# KiCad board IOT-Mess-Sens-Panelized.kicad_pcb (continued)
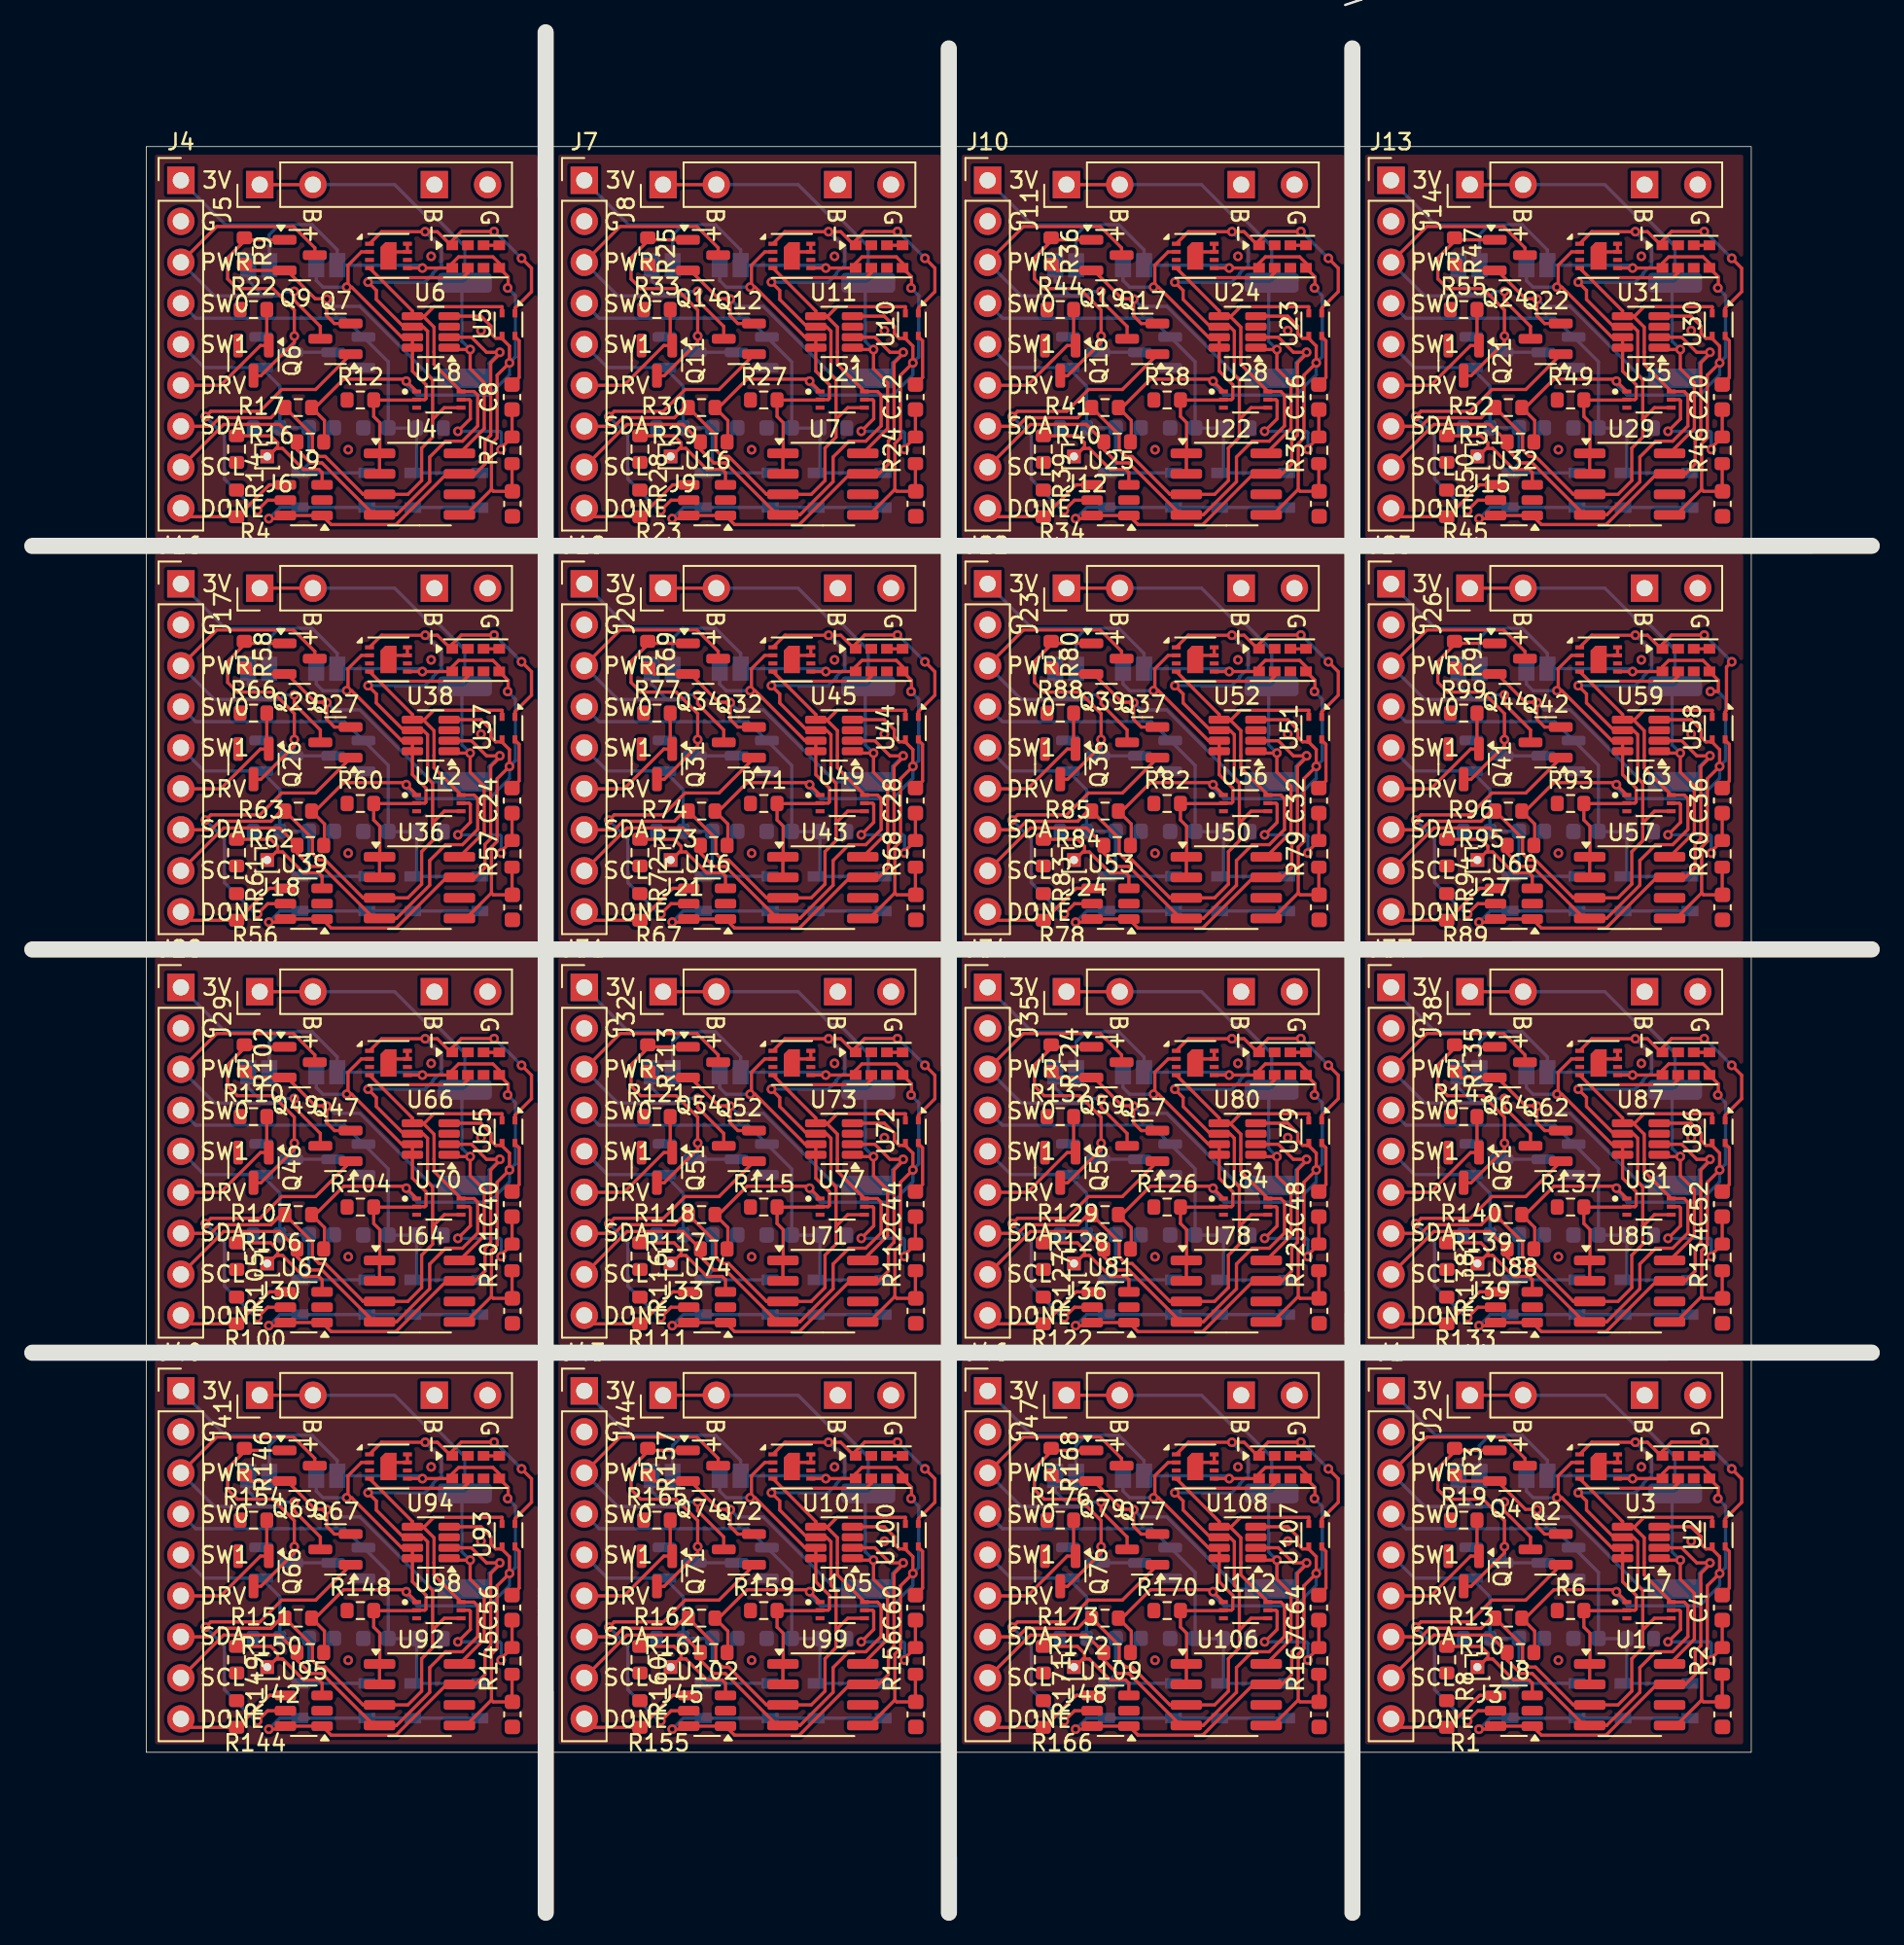
[diagram p0: board, top side]
## Placement (name value [footprint] x y rotation side) (continued)
Q59  AO3401A  [SOT-23]  66.57 52.69 0 top
Q60  AO3400A  [SOT-23]  69.59 46.67 180 bottom
Q61  AO3400A  [SOT-23]  88.71 46.16 270 top
Q62  AO3401A  [SOT-23]  93.79 47.51 180 top
Q63  AO3400A  [SOT-23]  90.12 46.68 0 bottom
Q64  AO3401A  [SOT-23]  91.57 52.69 0 top
Q65  AO3400A  [SOT-23]  94.59 46.67 180 bottom
Q66  AO3400A  [SOT-23]  13.71 21.16 270 top
Q67  AO3401A  [SOT-23]  18.79 22.51 180 top
Q68  AO3400A  [SOT-23]  15.12 21.68 0 bottom
Q69  AO3401A  [SOT-23]  16.57 27.69 0 top
Q70  AO3400A  [SOT-23]  19.59 21.67 180 bottom
Q71  AO3400A  [SOT-23]  38.71 21.16 270 top
Q72  AO3401A  [SOT-23]  43.79 22.51 180 top
Q73  AO3400A  [SOT-23]  40.12 21.68 0 bottom
Q74  AO3401A  [SOT-23]  41.57 27.69 0 top
Q75  AO3400A  [SOT-23]  44.59 21.67 180 bottom
Q76  AO3400A  [SOT-23]  63.71 21.16 270 top
Q77  AO3401A  [SOT-23]  68.79 22.51 180 top
Q78  AO3400A  [SOT-23]  65.12 21.68 0 bottom
Q79  AO3401A  [SOT-23]  66.57 27.69 0 top
Q80  AO3400A  [SOT-23]  69.59 21.67 180 bottom
R1  R  [R_0603_1608Metric]  87.66 12.31 270 top
R2  5K  [R_0603_1608Metric]  104.73 15.6 90 top
R3  R  [R_0603_1608Metric]  88.15 27.94 90 top
R4  R  [R_0603_1608Metric]  12.66 87.31 270 top
R5  R  [R_0603_1608Metric]  89.52 17 0 bottom
R6  10K  [R_0603_1608Metric]  95.34 18.72 0 top
R7  5K  [R_0603_1608Metric]  29.73 90.6 90 top
R8  R  [R_0603_1608Metric]  87.66 15.68 90 top
R9  R  [R_0603_1608Metric]  13.15 102.94 90 top
R10  10K  [R_0603_1608Metric]  91.49 18.25 180 top
R11  R  [R_0603_1608Metric]  14.52 92 0 bottom
R12  10K  [R_0603_1608Metric]  20.33 93.72 0 top
R13  10K  [R_0603_1608Metric]  92.24 16.12 0 top
R14  R  [R_0603_1608Metric]  12.66 90.68 90 top
R15  0.1R  [R_2512_6332Metric]  101.81 23.02 90 bottom
R16  10K  [R_0603_1608Metric]  16.48 93.25 180 top
R17  10K  [R_0603_1608Metric]  17.23 91.12 0 top
R18  R  [R_0603_1608Metric]  99.65 16.98 180 bottom
R19  R  [R_0603_1608Metric]  88.71 24.32 0 top
R20  0.1R  [R_2512_6332Metric]  26.81 98.02 90 bottom
R21  R  [R_0603_1608Metric]  24.65 91.98 180 bottom
R22  R  [R_0603_1608Metric]  13.71 99.32 0 top
R23  R  [R_0603_1608Metric]  37.66 87.31 270 top
R24  5K  [R_0603_1608Metric]  54.73 90.6 90 top
R25  R  [R_0603_1608Metric]  38.15 102.94 90 top
R26  R  [R_0603_1608Metric]  39.52 92 0 bottom
R27  10K  [R_0603_1608Metric]  45.33 93.72 0 top
R28  R  [R_0603_1608Metric]  37.66 90.68 90 top
R29  10K  [R_0603_1608Metric]  41.48 93.25 180 top
R30  10K  [R_0603_1608Metric]  42.23 91.12 0 top
R31  0.1R  [R_2512_6332Metric]  51.81 98.02 90 bottom
R32  R  [R_0603_1608Metric]  49.65 91.98 180 bottom
R33  R  [R_0603_1608Metric]  38.71 99.32 0 top
R34  R  [R_0603_1608Metric]  62.66 87.31 270 top
R35  5K  [R_0603_1608Metric]  79.73 90.6 90 top
R36  R  [R_0603_1608Metric]  63.15 102.94 90 top
R37  R  [R_0603_1608Metric]  64.52 92 0 bottom
R38  10K  [R_0603_1608Metric]  70.34 93.72 0 top
R39  R  [R_0603_1608Metric]  62.66 90.68 90 top
R40  10K  [R_0603_1608Metric]  66.49 93.25 180 top
R41  10K  [R_0603_1608Metric]  67.24 91.12 0 top
R42  0.1R  [R_2512_6332Metric]  76.81 98.02 90 bottom
R43  R  [R_0603_1608Metric]  74.65 91.98 180 bottom
R44  R  [R_0603_1608Metric]  63.71 99.32 0 top
R45  R  [R_0603_1608Metric]  87.66 87.31 270 top
R46  5K  [R_0603_1608Metric]  104.73 90.6 90 top
R47  R  [R_0603_1608Metric]  88.15 102.94 90 top
R48  R  [R_0603_1608Metric]  89.52 92 0 bottom
R49  10K  [R_0603_1608Metric]  95.34 93.72 0 top
R50  R  [R_0603_1608Metric]  87.66 90.68 90 top
R51  10K  [R_0603_1608Metric]  91.49 93.25 180 top
R52  10K  [R_0603_1608Metric]  92.24 91.12 0 top
R53  0.1R  [R_2512_6332Metric]  101.81 98.02 90 bottom
R54  R  [R_0603_1608Metric]  99.65 91.98 180 bottom
R55  R  [R_0603_1608Metric]  88.71 99.32 0 top
R56  R  [R_0603_1608Metric]  12.66 62.31 270 top
R57  5K  [R_0603_1608Metric]  29.73 65.6 90 top
R58  R  [R_0603_1608Metric]  13.15 77.94 90 top
R59  R  [R_0603_1608Metric]  14.52 67 0 bottom
R60  10K  [R_0603_1608Metric]  20.33 68.72 0 top
R61  R  [R_0603_1608Metric]  12.66 65.68 90 top
R62  10K  [R_0603_1608Metric]  16.48 68.25 180 top
R63  10K  [R_0603_1608Metric]  17.23 66.12 0 top
R64  0.1R  [R_2512_6332Metric]  26.81 73.02 90 bottom
R65  R  [R_0603_1608Metric]  24.65 66.98 180 bottom
R66  R  [R_0603_1608Metric]  13.71 74.32 0 top
R67  R  [R_0603_1608Metric]  37.66 62.31 270 top
R68  5K  [R_0603_1608Metric]  54.73 65.6 90 top
R69  R  [R_0603_1608Metric]  38.15 77.94 90 top
R70  R  [R_0603_1608Metric]  39.52 67 0 bottom
R71  10K  [R_0603_1608Metric]  45.33 68.72 0 top
R72  R  [R_0603_1608Metric]  37.66 65.68 90 top
R73  10K  [R_0603_1608Metric]  41.48 68.25 180 top
R74  10K  [R_0603_1608Metric]  42.23 66.12 0 top
R75  0.1R  [R_2512_6332Metric]  51.81 73.02 90 bottom
R76  R  [R_0603_1608Metric]  49.65 66.98 180 bottom
R77  R  [R_0603_1608Metric]  38.71 74.32 0 top
R78  R  [R_0603_1608Metric]  62.66 62.31 270 top
R79  5K  [R_0603_1608Metric]  79.73 65.6 90 top
R80  R  [R_0603_1608Metric]  63.15 77.94 90 top
R81  R  [R_0603_1608Metric]  64.52 67 0 bottom
R82  10K  [R_0603_1608Metric]  70.34 68.72 0 top
R83  R  [R_0603_1608Metric]  62.66 65.68 90 top
R84  10K  [R_0603_1608Metric]  66.49 68.25 180 top
R85  10K  [R_0603_1608Metric]  67.24 66.12 0 top
R86  0.1R  [R_2512_6332Metric]  76.81 73.02 90 bottom
R87  R  [R_0603_1608Metric]  74.65 66.98 180 bottom
R88  R  [R_0603_1608Metric]  63.71 74.32 0 top
R89  R  [R_0603_1608Metric]  87.66 62.31 270 top
R90  5K  [R_0603_1608Metric]  104.73 65.6 90 top
R91  R  [R_0603_1608Metric]  88.15 77.94 90 top
R92  R  [R_0603_1608Metric]  89.52 67 0 bottom
R93  10K  [R_0603_1608Metric]  95.34 68.72 0 top
R94  R  [R_0603_1608Metric]  87.66 65.68 90 top
R95  10K  [R_0603_1608Metric]  91.49 68.25 180 top
R96  10K  [R_0603_1608Metric]  92.24 66.12 0 top
R97  0.1R  [R_2512_6332Metric]  101.81 73.02 90 bottom
R98  R  [R_0603_1608Metric]  99.65 66.98 180 bottom
R99  R  [R_0603_1608Metric]  88.71 74.32 0 top
R100  R  [R_0603_1608Metric]  12.66 37.31 270 top
R101  5K  [R_0603_1608Metric]  29.73 40.6 90 top
R102  R  [R_0603_1608Metric]  13.15 52.94 90 top
R103  R  [R_0603_1608Metric]  14.52 42 0 bottom
R104  10K  [R_0603_1608Metric]  20.33 43.72 0 top
R105  R  [R_0603_1608Metric]  12.66 40.68 90 top
R106  10K  [R_0603_1608Metric]  16.48 43.25 180 top
R107  10K  [R_0603_1608Metric]  17.23 41.12 0 top
R108  0.1R  [R_2512_6332Metric]  26.81 48.02 90 bottom
R109  R  [R_0603_1608Metric]  24.65 41.98 180 bottom
R110  R  [R_0603_1608Metric]  13.71 49.32 0 top
R111  R  [R_0603_1608Metric]  37.66 37.31 270 top
R112  5K  [R_0603_1608Metric]  54.73 40.6 90 top
R113  R  [R_0603_1608Metric]  38.15 52.94 90 top
R114  R  [R_0603_1608Metric]  39.52 42 0 bottom
R115  10K  [R_0603_1608Metric]  45.33 43.72 0 top
R116  R  [R_0603_1608Metric]  37.66 40.68 90 top
R117  10K  [R_0603_1608Metric]  41.48 43.25 180 top
R118  10K  [R_0603_1608Metric]  42.23 41.12 0 top
R119  0.1R  [R_2512_6332Metric]  51.81 48.02 90 bottom
R120  R  [R_0603_1608Metric]  49.65 41.98 180 bottom
R121  R  [R_0603_1608Metric]  38.71 49.32 0 top
R122  R  [R_0603_1608Metric]  62.66 37.31 270 top
R123  5K  [R_0603_1608Metric]  79.73 40.6 90 top
R124  R  [R_0603_1608Metric]  63.15 52.94 90 top
R125  R  [R_0603_1608Metric]  64.52 42 0 bottom
R126  10K  [R_0603_1608Metric]  70.34 43.72 0 top
R127  R  [R_0603_1608Metric]  62.66 40.68 90 top
R128  10K  [R_0603_1608Metric]  66.49 43.25 180 top
R129  10K  [R_0603_1608Metric]  67.24 41.12 0 top
R130  0.1R  [R_2512_6332Metric]  76.81 48.02 90 bottom
R131  R  [R_0603_1608Metric]  74.65 41.98 180 bottom
R132  R  [R_0603_1608Metric]  63.71 49.32 0 top
R133  R  [R_0603_1608Metric]  87.66 37.31 270 top
R134  5K  [R_0603_1608Metric]  104.73 40.6 90 top
R135  R  [R_0603_1608Metric]  88.15 52.94 90 top
R136  R  [R_0603_1608Metric]  89.52 42 0 bottom
R137  10K  [R_0603_1608Metric]  95.34 43.72 0 top
R138  R  [R_0603_1608Metric]  87.66 40.68 90 top
R139  10K  [R_0603_1608Metric]  91.49 43.25 180 top
R140  10K  [R_0603_1608Metric]  92.24 41.12 0 top
R141  0.1R  [R_2512_6332Metric]  101.81 48.02 90 bottom
R142  R  [R_0603_1608Metric]  99.65 41.98 180 bottom
R143  R  [R_0603_1608Metric]  88.71 49.32 0 top
R144  R  [R_0603_1608Metric]  12.66 12.31 270 top
R145  5K  [R_0603_1608Metric]  29.73 15.6 90 top
R146  R  [R_0603_1608Metric]  13.15 27.94 90 top
R147  R  [R_0603_1608Metric]  14.52 17 0 bottom
R148  10K  [R_0603_1608Metric]  20.33 18.72 0 top
R149  R  [R_0603_1608Metric]  12.66 15.68 90 top
R150  10K  [R_0603_1608Metric]  16.48 18.25 180 top
R151  10K  [R_0603_1608Metric]  17.23 16.12 0 top
R152  0.1R  [R_2512_6332Metric]  26.81 23.02 90 bottom
R153  R  [R_0603_1608Metric]  24.65 16.98 180 bottom
R154  R  [R_0603_1608Metric]  13.71 24.32 0 top
R155  R  [R_0603_1608Metric]  37.66 12.31 270 top
R156  5K  [R_0603_1608Metric]  54.73 15.6 90 top
R157  R  [R_0603_1608Metric]  38.15 27.94 90 top
R158  R  [R_0603_1608Metric]  39.52 17 0 bottom
R159  10K  [R_0603_1608Metric]  45.33 18.72 0 top
R160  R  [R_0603_1608Metric]  37.66 15.68 90 top
R161  10K  [R_0603_1608Metric]  41.48 18.25 180 top
R162  10K  [R_0603_1608Metric]  42.23 16.12 0 top
R163  0.1R  [R_2512_6332Metric]  51.81 23.02 90 bottom
R164  R  [R_0603_1608Metric]  49.65 16.98 180 bottom
R165  R  [R_0603_1608Metric]  38.71 24.32 0 top
R166  R  [R_0603_1608Metric]  62.66 12.31 270 top
R167  5K  [R_0603_1608Metric]  79.73 15.6 90 top
R168  R  [R_0603_1608Metric]  63.15 27.94 90 top
R169  R  [R_0603_1608Metric]  64.52 17 0 bottom
R170  10K  [R_0603_1608Metric]  70.34 18.72 0 top
R171  R  [R_0603_1608Metric]  62.66 15.68 90 top
R172  10K  [R_0603_1608Metric]  66.49 18.25 180 top
R173  10K  [R_0603_1608Metric]  67.24 16.12 0 top
R174  0.1R  [R_2512_6332Metric]  76.81 23.02 90 bottom
R175  R  [R_0603_1608Metric]  74.65 16.98 180 bottom
R176  R  [R_0603_1608Metric]  63.71 24.32 0 top
SW2  SW_Push  [SW_SPST_PTS810]  100.66 13.13 0 bottom
SW3  SW_Push  [SW_SPST_PTS810]  93.65 13.14 0 bottom
SW4  SW_Push  [SW_SPST_PTS810]  25.66 88.13 0 bottom
SW5  SW_Push  [SW_SPST_PTS810]  18.65 88.14 0 bottom
SW6  SW_Push  [SW_SPST_PTS810]  50.66 88.13 0 bottom
SW7  SW_Push  [SW_SPST_PTS810]  43.65 88.14 0 bottom
SW8  SW_Push  [SW_SPST_PTS810]  75.66 88.13 0 bottom
SW9  SW_Push  [SW_SPST_PTS810]  68.65 88.14 0 bottom
SW10  SW_Push  [SW_SPST_PTS810]  100.66 88.13 0 bottom
SW11  SW_Push  [SW_SPST_PTS810]  93.65 88.14 0 bottom
SW12  SW_Push  [SW_SPST_PTS810]  25.66 63.13 0 bottom
SW13  SW_Push  [SW_SPST_PTS810]  18.65 63.14 0 bottom
SW14  SW_Push  [SW_SPST_PTS810]  50.66 63.13 0 bottom
SW15  SW_Push  [SW_SPST_PTS810]  43.65 63.14 0 bottom
SW16  SW_Push  [SW_SPST_PTS810]  75.66 63.13 0 bottom
SW17  SW_Push  [SW_SPST_PTS810]  68.65 63.14 0 bottom
SW18  SW_Push  [SW_SPST_PTS810]  100.66 63.13 0 bottom
SW19  SW_Push  [SW_SPST_PTS810]  93.65 63.14 0 bottom
SW20  SW_Push  [SW_SPST_PTS810]  25.66 38.13 0 bottom
SW21  SW_Push  [SW_SPST_PTS810]  18.65 38.14 0 bottom
SW22  SW_Push  [SW_SPST_PTS810]  50.66 38.13 0 bottom
SW23  SW_Push  [SW_SPST_PTS810]  43.65 38.14 0 bottom
SW24  SW_Push  [SW_SPST_PTS810]  75.66 38.13 0 bottom
SW25  SW_Push  [SW_SPST_PTS810]  68.65 38.14 0 bottom
SW26  SW_Push  [SW_SPST_PTS810]  100.66 38.13 0 bottom
SW27  SW_Push  [SW_SPST_PTS810]  93.65 38.14 0 bottom
SW28  SW_Push  [SW_SPST_PTS810]  25.66 13.13 0 bottom
SW29  SW_Push  [SW_SPST_PTS810]  18.65 13.14 0 bottom
SW30  SW_Push  [SW_SPST_PTS810]  50.66 13.13 0 bottom
SW31  SW_Push  [SW_SPST_PTS810]  43.65 13.14 0 bottom
SW32  SW_Push  [SW_SPST_PTS810]  75.66 13.13 0 bottom
SW33  SW_Push  [SW_SPST_PTS810]  68.65 13.14 0 bottom
U1  INA219AxD  [SOIC-8_3.9x4.9mm_P1.27mm]  99 13.51 0 top
U2  SHT4x  [Sensirion_DFN-4_1.5x1.5mm_P0.8mm_SHT4x_NoCentralPad]  104.51 23.39 270 top
U3  INA219AxDCN  [SOT-23-8]  99.7 22.94 180 top
U4  INA219AxD  [SOIC-8_3.9x4.9mm_P1.27mm]  24 88.51 0 top
U5  SHT4x  [Sensirion_DFN-4_1.5x1.5mm_P0.8mm_SHT4x_NoCentralPad]  29.51 98.39 270 top
U6  INA219AxDCN  [SOT-23-8]  24.7 97.94 180 top
U7  INA219AxD  [SOIC-8_3.9x4.9mm_P1.27mm]  49 88.51 0 top
U8  TPL5110  [SOT-23-6]  91.83 12.51 180 top
U9  TPL5110  [SOT-23-6]  16.83 87.51 180 top
U10  SHT4x  [Sensirion_DFN-4_1.5x1.5mm_P0.8mm_SHT4x_NoCentralPad]  54.51 98.39 270 top
U11  INA219AxDCN  [SOT-23-8]  49.7 97.94 180 top
U12  APDS-9960  [Avago_APDS-9960]  102.48 27.6 0 top
U13  SHT31-DIS  [Sensirion_DFN-8-1EP_2.5x2.5mm_P0.5mm_EP1.1x1.7mm]  97.07 27.65 0 top
U14  APDS-9960  [Avago_APDS-9960]  27.48 102.6 0 top
U15  SHT31-DIS  [Sensirion_DFN-8-1EP_2.5x2.5mm_P0.5mm_EP1.1x1.7mm]  22.07 102.65 0 top
U16  TPL5110  [SOT-23-6]  41.83 87.51 180 top
U17  BH1750FVI-TR  [XDCR_BH1750FVI-TR]  100.2 18.74 0 top
U18  BH1750FVI-TR  [XDCR_BH1750FVI-TR]  25.2 93.74 0 top
U19  APDS-9960  [Avago_APDS-9960]  52.48 102.6 0 top
U20  SHT31-DIS  [Sensirion_DFN-8-1EP_2.5x2.5mm_P0.5mm_EP1.1x1.7mm]  47.07 102.65 0 top
U21  BH1750FVI-TR  [XDCR_BH1750FVI-TR]  50.2 93.74 0 top
U22  INA219AxD  [SOIC-8_3.9x4.9mm_P1.27mm]  74 88.51 0 top
U23  SHT4x  [Sensirion_DFN-4_1.5x1.5mm_P0.8mm_SHT4x_NoCentralPad]  79.51 98.39 270 top
U24  INA219AxDCN  [SOT-23-8]  74.7 97.94 180 top
U25  TPL5110  [SOT-23-6]  66.83 87.51 180 top
U26  APDS-9960  [Avago_APDS-9960]  77.48 102.6 0 top
U27  SHT31-DIS  [Sensirion_DFN-8-1EP_2.5x2.5mm_P0.5mm_EP1.1x1.7mm]  72.07 102.65 0 top
U28  BH1750FVI-TR  [XDCR_BH1750FVI-TR]  75.2 93.74 0 top
U29  INA219AxD  [SOIC-8_3.9x4.9mm_P1.27mm]  99 88.51 0 top
U30  SHT4x  [Sensirion_DFN-4_1.5x1.5mm_P0.8mm_SHT4x_NoCentralPad]  104.51 98.39 270 top
U31  INA219AxDCN  [SOT-23-8]  99.7 97.94 180 top
U32  TPL5110  [SOT-23-6]  91.83 87.51 180 top
U33  APDS-9960  [Avago_APDS-9960]  102.48 102.6 0 top
U34  SHT31-DIS  [Sensirion_DFN-8-1EP_2.5x2.5mm_P0.5mm_EP1.1x1.7mm]  97.07 102.65 0 top
U35  BH1750FVI-TR  [XDCR_BH1750FVI-TR]  100.2 93.74 0 top
U36  INA219AxD  [SOIC-8_3.9x4.9mm_P1.27mm]  24 63.51 0 top
U37  SHT4x  [Sensirion_DFN-4_1.5x1.5mm_P0.8mm_SHT4x_NoCentralPad]  29.51 73.39 270 top
U38  INA219AxDCN  [SOT-23-8]  24.7 72.94 180 top
U39  TPL5110  [SOT-23-6]  16.83 62.51 180 top
U40  APDS-9960  [Avago_APDS-9960]  27.48 77.6 0 top
U41  SHT31-DIS  [Sensirion_DFN-8-1EP_2.5x2.5mm_P0.5mm_EP1.1x1.7mm]  22.07 77.65 0 top
U42  BH1750FVI-TR  [XDCR_BH1750FVI-TR]  25.2 68.74 0 top
U43  INA219AxD  [SOIC-8_3.9x4.9mm_P1.27mm]  49 63.51 0 top
U44  SHT4x  [Sensirion_DFN-4_1.5x1.5mm_P0.8mm_SHT4x_NoCentralPad]  54.51 73.39 270 top
U45  INA219AxDCN  [SOT-23-8]  49.7 72.94 180 top
U46  TPL5110  [SOT-23-6]  41.83 62.51 180 top
U47  APDS-9960  [Avago_APDS-9960]  52.48 77.6 0 top
U48  SHT31-DIS  [Sensirion_DFN-8-1EP_2.5x2.5mm_P0.5mm_EP1.1x1.7mm]  47.07 77.65 0 top
U49  BH1750FVI-TR  [XDCR_BH1750FVI-TR]  50.2 68.74 0 top
U50  INA219AxD  [SOIC-8_3.9x4.9mm_P1.27mm]  74 63.51 0 top
U51  SHT4x  [Sensirion_DFN-4_1.5x1.5mm_P0.8mm_SHT4x_NoCentralPad]  79.51 73.39 270 top
U52  INA219AxDCN  [SOT-23-8]  74.7 72.94 180 top
U53  TPL5110  [SOT-23-6]  66.83 62.51 180 top
U54  APDS-9960  [Avago_APDS-9960]  77.48 77.6 0 top
U55  SHT31-DIS  [Sensirion_DFN-8-1EP_2.5x2.5mm_P0.5mm_EP1.1x1.7mm]  72.07 77.65 0 top
U56  BH1750FVI-TR  [XDCR_BH1750FVI-TR]  75.2 68.74 0 top
U57  INA219AxD  [SOIC-8_3.9x4.9mm_P1.27mm]  99 63.51 0 top
U58  SHT4x  [Sensirion_DFN-4_1.5x1.5mm_P0.8mm_SHT4x_NoCentralPad]  104.51 73.39 270 top
U59  INA219AxDCN  [SOT-23-8]  99.7 72.94 180 top
U60  TPL5110  [SOT-23-6]  91.83 62.51 180 top
U61  APDS-9960  [Avago_APDS-9960]  102.48 77.6 0 top
U62  SHT31-DIS  [Sensirion_DFN-8-1EP_2.5x2.5mm_P0.5mm_EP1.1x1.7mm]  97.07 77.65 0 top
U63  BH1750FVI-TR  [XDCR_BH1750FVI-TR]  100.2 68.74 0 top
U64  INA219AxD  [SOIC-8_3.9x4.9mm_P1.27mm]  24 38.51 0 top
U65  SHT4x  [Sensirion_DFN-4_1.5x1.5mm_P0.8mm_SHT4x_NoCentralPad]  29.51 48.39 270 top
U66  INA219AxDCN  [SOT-23-8]  24.7 47.94 180 top
U67  TPL5110  [SOT-23-6]  16.83 37.51 180 top
U68  APDS-9960  [Avago_APDS-9960]  27.48 52.6 0 top
U69  SHT31-DIS  [Sensirion_DFN-8-1EP_2.5x2.5mm_P0.5mm_EP1.1x1.7mm]  22.07 52.65 0 top
U70  BH1750FVI-TR  [XDCR_BH1750FVI-TR]  25.2 43.74 0 top
U71  INA219AxD  [SOIC-8_3.9x4.9mm_P1.27mm]  49 38.51 0 top
U72  SHT4x  [Sensirion_DFN-4_1.5x1.5mm_P0.8mm_SHT4x_NoCentralPad]  54.51 48.39 270 top
U73  INA219AxDCN  [SOT-23-8]  49.7 47.94 180 top
U74  TPL5110  [SOT-23-6]  41.83 37.51 180 top
U75  APDS-9960  [Avago_APDS-9960]  52.48 52.6 0 top
U76  SHT31-DIS  [Sensirion_DFN-8-1EP_2.5x2.5mm_P0.5mm_EP1.1x1.7mm]  47.07 52.65 0 top
U77  BH1750FVI-TR  [XDCR_BH1750FVI-TR]  50.2 43.74 0 top
U78  INA219AxD  [SOIC-8_3.9x4.9mm_P1.27mm]  74 38.51 0 top
U79  SHT4x  [Sensirion_DFN-4_1.5x1.5mm_P0.8mm_SHT4x_NoCentralPad]  79.51 48.39 270 top
U80  INA219AxDCN  [SOT-23-8]  74.7 47.94 180 top
U81  TPL5110  [SOT-23-6]  66.83 37.51 180 top
U82  APDS-9960  [Avago_APDS-9960]  77.48 52.6 0 top
U83  SHT31-DIS  [Sensirion_DFN-8-1EP_2.5x2.5mm_P0.5mm_EP1.1x1.7mm]  72.07 52.65 0 top
U84  BH1750FVI-TR  [XDCR_BH1750FVI-TR]  75.2 43.74 0 top
U85  INA219AxD  [SOIC-8_3.9x4.9mm_P1.27mm]  99 38.51 0 top
U86  SHT4x  [Sensirion_DFN-4_1.5x1.5mm_P0.8mm_SHT4x_NoCentralPad]  104.51 48.39 270 top
U87  INA219AxDCN  [SOT-23-8]  99.7 47.94 180 top
U88  TPL5110  [SOT-23-6]  91.83 37.51 180 top
U89  APDS-9960  [Avago_APDS-9960]  102.48 52.6 0 top
U90  SHT31-DIS  [Sensirion_DFN-8-1EP_2.5x2.5mm_P0.5mm_EP1.1x1.7mm]  97.07 52.65 0 top
U91  BH1750FVI-TR  [XDCR_BH1750FVI-TR]  100.2 43.74 0 top
U92  INA219AxD  [SOIC-8_3.9x4.9mm_P1.27mm]  24 13.51 0 top
U93  SHT4x  [Sensirion_DFN-4_1.5x1.5mm_P0.8mm_SHT4x_NoCentralPad]  29.51 23.39 270 top
U94  INA219AxDCN  [SOT-23-8]  24.7 22.94 180 top
U95  TPL5110  [SOT-23-6]  16.83 12.51 180 top
U96  APDS-9960  [Avago_APDS-9960]  27.48 27.6 0 top
U97  SHT31-DIS  [Sensirion_DFN-8-1EP_2.5x2.5mm_P0.5mm_EP1.1x1.7mm]  22.07 27.65 0 top
U98  BH1750FVI-TR  [XDCR_BH1750FVI-TR]  25.2 18.74 0 top
U99  INA219AxD  [SOIC-8_3.9x4.9mm_P1.27mm]  49 13.51 0 top
U100  SHT4x  [Sensirion_DFN-4_1.5x1.5mm_P0.8mm_SHT4x_NoCentralPad]  54.51 23.39 270 top
U101  INA219AxDCN  [SOT-23-8]  49.7 22.94 180 top
U102  TPL5110  [SOT-23-6]  41.83 12.51 180 top
U103  APDS-9960  [Avago_APDS-9960]  52.48 27.6 0 top
U104  SHT31-DIS  [Sensirion_DFN-8-1EP_2.5x2.5mm_P0.5mm_EP1.1x1.7mm]  47.07 27.65 0 top
U105  BH1750FVI-TR  [XDCR_BH1750FVI-TR]  50.2 18.74 0 top
U106  INA219AxD  [SOIC-8_3.9x4.9mm_P1.27mm]  74 13.51 0 top
U107  SHT4x  [Sensirion_DFN-4_1.5x1.5mm_P0.8mm_SHT4x_NoCentralPad]  79.51 23.39 270 top
U108  INA219AxDCN  [SOT-23-8]  74.7 22.94 180 top
U109  TPL5110  [SOT-23-6]  66.83 12.51 180 top
U110  APDS-9960  [Avago_APDS-9960]  77.48 27.6 0 top
U111  SHT31-DIS  [Sensirion_DFN-8-1EP_2.5x2.5mm_P0.5mm_EP1.1x1.7mm]  72.07 27.65 0 top
U112  BH1750FVI-TR  [XDCR_BH1750FVI-TR]  75.2 18.74 0 top

## Library data of the parts
C4-C7 = -: ki_fp_filters: C_*
J1 = -: Description: Generic connector, single row, 01x09, script generated; ki_fp_filters: Connector*:*_1x??_*
J2 = -: Description: Generic connector, single row, 01x04, script generated; ki_fp_filters: Connector*:*_1x??_*
J3 = -: Description: Generic connector, single row, 01x01, script generated; ki_fp_filters: Connector*:*_1x??_*
J4 J7 J10 J13 J16 J19 J22 J25 J28 J31 J34 J37 J40 J43 J46 = -: Description: Generic connector, single row, 01x09, script generated
J5 J8 J11 J14 J17 J20 J23 J26 J29 J32 J35 J38 J41 J44 J47 = -: Description: Generic connector, single row, 01x04, script generated
J6 J9 J12 J15 J18 J21 J24 J27 J30 J33 J36 J39 J42 J45 J48 = -: Description: Generic connector, single row, 01x01, script generated
JP4 JP5 = -: Description: Jumper, 2-pole, small symbol, open; ki_fp_filters: Jumper* TestPoint*2Pads* TestPoint*Bridge*
JP6-JP35 = -: Description: Jumper, 2-pole, small symbol, open
Q1 Q3 Q5 = -: Datasheet: http://www.aosmd.com/pdfs/datasheet/AO3400A.pdf; Description: 30V Vds, 5.7A Id, N-Channel MOSFET, SOT-23; ki_fp_filters: SOT?23*
Q2 Q4 = -: Datasheet: http://www.aosmd.com/pdfs/datasheet/AO3401A.pdf; Description: -4.0A Id, -30V Vds, P-Channel MOSFET, SOT-23; ki_fp_filters: SOT?23*
Q6 Q8 Q10 Q11 Q13 Q15 Q16 Q18 Q20 Q21 Q23 Q25 Q26 Q28 Q30 Q31 Q33 Q35 Q36 Q38 Q40 Q41 Q43 Q45 Q46 Q48 Q50 Q51 Q53 Q55 Q56 Q58 Q60 Q61 Q63 Q65 Q66 Q68 Q70 Q71 Q73 Q75 Q76 Q78 Q80 = -: Datasheet: http://www.aosmd.com/pdfs/datasheet/AO3400A.pdf; Description: 30V Vds, 5.7A Id, N-Channel MOSFET, SOT-23
Q7 Q9 Q12 Q14 Q17 Q19 Q22 Q24 Q27 Q29 Q32 Q34 Q37 Q39 Q42 Q44 Q47 Q49 Q52 Q54 Q57 Q59 Q62 Q64 Q67 Q69 Q72 Q74 Q77 Q79 = -: Datasheet: http://www.aosmd.com/pdfs/datasheet/AO3401A.pdf; Description: -4.0A Id, -30V Vds, P-Channel MOSFET, SOT-23
R1-R3 R5 R6 R8 R10 R13 R15 R18 R19 = -: ki_fp_filters: R_*
U1 = -: Datasheet: http://www.ti.com/lit/ds/symlink/ina219.pdf; Description: Zero-Drift, Bidirectional Current/Power Monitor (0-26V) With I2C Interface, SOIC-8; ki_fp_filters: SOIC*3.9x4.9mm*P1.27mm*
U2 = -: Datasheet: https://sensirion.com/media/documents/33FD6951/624C4357/Datasheet_SHT4x.pdf; Description: Digital Humidity and Temperature Sensor, ±1%RH, ±0.1°C, I2C, 1.08-3.6V, 16bit, DFN-4; ki_fp_filters: Sensirion?DFN*1.5x1.5mm*P0.8mm*SHT4x*
U3 = -: Datasheet: http://www.ti.com/lit/ds/symlink/ina219.pdf; ki_fp_filters: SOT?23*
U4 U7 U22 U29 U36 U43 U50 U57 U64 U71 U78 U85 U92 U99 U106 = -: Datasheet: http://www.ti.com/lit/ds/symlink/ina219.pdf; Description: Zero-Drift, Bidirectional Current/Power Monitor (0-26V) With I2C Interface, SOIC-8
U5 U10 U23 U30 U37 U44 U51 U58 U65 U72 U79 U86 U93 U100 U107 = -: Datasheet: https://sensirion.com/media/documents/33FD6951/624C4357/Datasheet_SHT4x.pdf; Description: Digital Humidity and Temperature Sensor, ±1%RH, ±0.1°C, I2C, 1.08-3.6V, 16bit, DFN-4
U6 U11 U24 U31 U38 U45 U52 U59 U66 U73 U80 U87 U94 U101 U108 = -: Datasheet: http://www.ti.com/lit/ds/symlink/ina219.pdf
U8 = -: Datasheet: http://www.ti.com/lit/ds/symlink/tpl5110.pdf; Description: Timer, Nano Power, Active-Low, 35 nA, 100 ms to 7200 s, VDD 1.8V to 5.5V, Iout max 1mA, SOT-23-6; ki_fp_filters: SOT?23*
U9 U16 U25 U32 U39 U46 U53 U60 U67 U74 U81 U88 U95 U102 U109 = -: Datasheet: http://www.ti.com/lit/ds/symlink/tpl5110.pdf; Description: Timer, Nano Power, Active-Low, 35 nA, 100 ms to 7200 s, VDD 1.8V to 5.5V, Iout max 1mA, SOT-23-6
U12 = -: Datasheet: https://docs.broadcom.com/doc/AV02-4191EN; ki_fp_filters: Avago?APDS?9960*
U13 = -: Datasheet: https://www.sensirion.com/fileadmin/user_upload/customers/sensirion/Dokumente/2_Humidity_Sensors/Datasheets/Sensirion_Humidity_Sensors_SHT3x_Datasheet_digital.pdf; ki_fp_filters: Sensirion*DFN*1EP*2.5x2.5mm*P0.5mm*
U14 U19 U26 U33 U40 U47 U54 U61 U68 U75 U82 U89 U96 U103 U110 = -: Datasheet: https://docs.broadcom.com/doc/AV02-4191EN
U15 U20 U27 U34 U41 U48 U55 U62 U69 U76 U83 U90 U97 U104 U111 = -: Datasheet: https://www.sensirion.com/fileadmin/user_upload/customers/sensirion/Dokumente/2_Humidity_Sensors/Datasheets/Sensirion_Humidity_Sensors_SHT3x_Datasheet_digital.pdf
U17 U18 U21 U28 U35 U42 U49 U56 U63 U70 U77 U84 U91 U98 U105 U112 = -: Description: Optical Sensor Ambient 560nm I²C 6-SMD, Flat Lead Exposed Pad; MF: Rohm; MAXIMUM_PACKAGE_HEIGHT: 0.75mm; Package: SMD-6 ROHM Semiconductor; Price: None; Check_prices: https://www.snapeda.com/parts/BH1750FVI-TR/Rohm/view-part/?ref=eda; STANDARD: Manufacturer recommendations; PARTREV: D; SnapEDA_Link: https://www.snapeda.com/parts/BH1750FVI-TR/Rohm/view-part/?ref=snap; Purchase-URL: https://www.snapeda.com/api/url_track_click_mouser/?unipart_id=106507&manufacturer=Rohm&part_name=BH1750FVI-TR&search_term=None; Availability: In Stock; MANUFACTURER: Rohm
